# Altium PCB Necklace_v3_pcb.PcbDoc
Units mm, origin at the board's own origin, x right, y up, seen from the top; angles counter-clockwise.
Board outline 22 x 32 mm, 2 copper layers (Top Layer, Bottom Layer); 24 components, 16 nets, 66 pads, 14 vias.
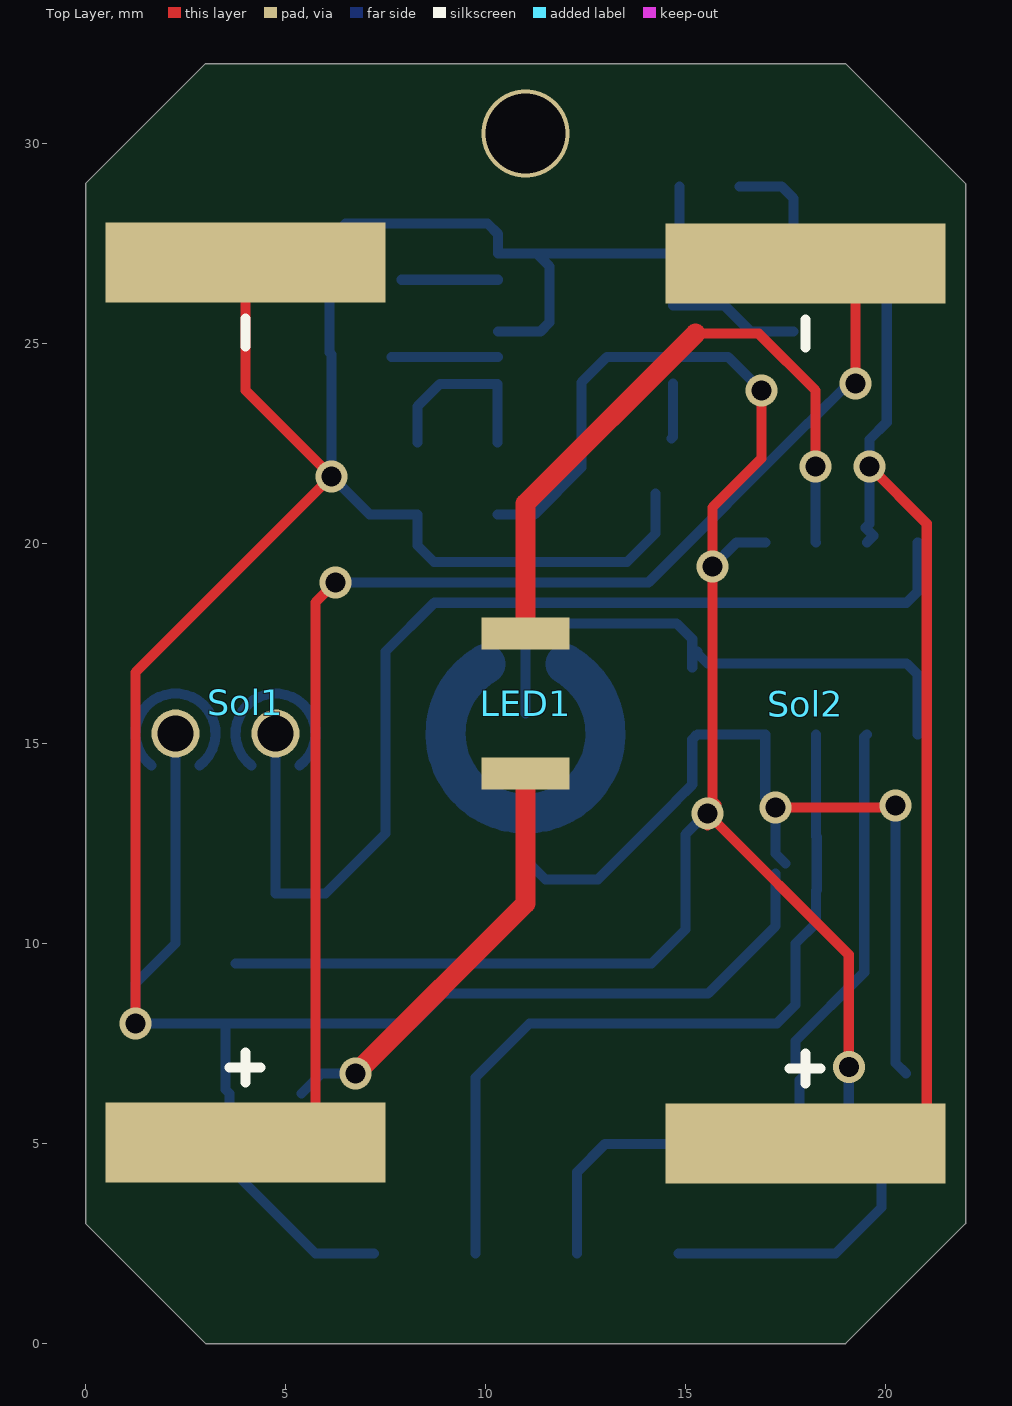
[diagram p0: Top Layer view]
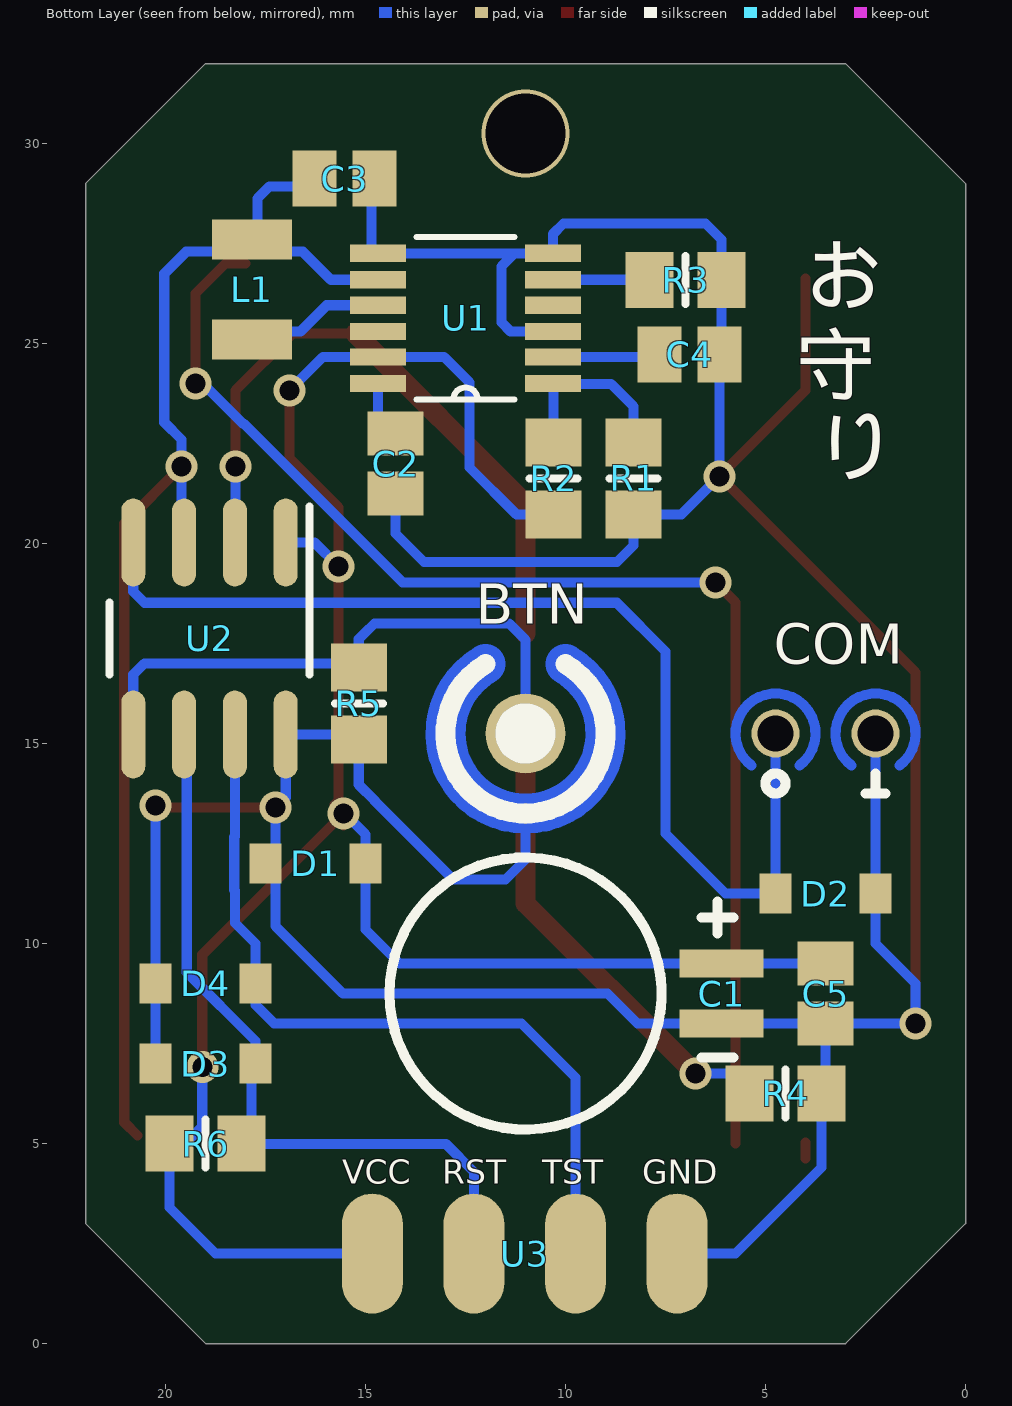
[diagram p1: Bottom Layer view, seen from below]

## Layer stack, top to bottom
Top Solder: solder mask 0.0102, Solder Resist, Dk 3.5
Top Layer: signal copper 0.0356
Dielectric 1: dielectric 0.32, FR-4, Dk 4.8
Bottom Layer: signal copper 0.0356
Bottom Solder: solder mask 0.0102, Solder Resist, Dk 3.5

## Board outline
3,0 0,3 0,29 3,32 19,32 22,29 22,3 19,0

## Design rules (kind name [scope] priority, off if disabled: settings)
Clearance [All] p1: gap=0.254 ignorepadtopadclearanceinfootprint=TRUE except(0: Arc-Hole Track-Hole SMDPad-Hole THPad-Hole Via-Hole Fill-Hole Poly-Hole Region-Hole Text-Hole; 0.1: SMDPad-SMDPad SMDPad-THPad THPad-THPad)
PolygonConnect [All] p1: connectstyle=Relief reliefconductorwidth=0.254 reliefentries=4 polygonreliefangle="90 Angle" airgapwidth=0.254
RoutingVias [All] p1: holewidth=0.711 width=1.27 viastyle="Through Hole" minholewidth=0.711 minwidth=1.27 maxholewidth=0.711 maxwidth=1.27
SolderMaskExpansion [All] p1: expansion=0.102
Width [All] p1: maxlimit=5 minlimit=0.254 preferedwidth=0.254
30 further rules are at their usual default settings.

## Components (designator, comment, footprint, x,y, rotation, side; value= is the part's Value field where it differs from the comment)
BTN "Touch_sensor" TOUCH_SENSOR 11,15.25 r90 bottom
C1 "DMS3R3224R Supercap" "DMS3R3224R SUPERCAP" 11,8.75 r180 bottom
C2 "Cap Semi" C0805 14.25,22 r90 bottom value=1uF
C3 "Cap Semi" C0805 15.521,29.125 r0 bottom value=10uF
C4 "Cap Semi" C0805 6.9,24.728 r180 bottom value=4.7uF
C5 "Cap Semi" C0805 3.5,8.75 r90 bottom value=100pF
COM "COM" SYNCHRONIZER 2.25,15.25 r90 bottom
D1 "ESD-Diode" SCHUTZDIODE 15.25,12.75 r0 bottom
D2 "ESD-Diode" SCHUTZDIODE 4.5,10.5 r180 bottom
D3 "ESD-Diode" SCHUTZDIODE 18,7.75 r0 bottom
D4 "ESD-Diode" SCHUTZDIODE 18,9.75 r0 bottom
L1 "Inductor" INDUCTIVITY 19.342,27.6 r270 bottom
LED1 "3528_LED" ?#1 11,14.5 r90 top
R1 "Res3" 6-0805_N 8.3,21.628 r90 bottom value=510k
R2 "Res3" 6-0805_N 10.3,21.628 r270 bottom value=1.1M
R3 "Res3" 6-0805_N 7,26.594 r0 bottom value=300k
R4 "Res3" 6-0805_N 4.5,6.25 r0 bottom value=200
R5 "Res3" 6-0805_N 15.167,16 r90 bottom value=8.2M
R6 "Res3" 6-0805_N 19,5 r0 bottom value=47k
Sol1 "Solar Panel" ?#2 7.5,3.028 r90 top
Sol2 "Solar Panel" ?#2 21.5,3 r90 top
U1 "LTC3105EMSPBF" SOP65P490X110-12N 12.5,25.628 r0 bottom
U2 "MSP430G2210IDR" MSP430G2210 18.9,17.628 r270 bottom
U3 "Program_connector" PROGRAM_CONNECTOR 14.83,2.25 r270 bottom

## Footprints (in the part's own frame and the unit in brackets; to place one, negate y for a bottom-side part, rotate by r counter-clockwise, add the part's x,y. Pads: shape width x height; smd on the part's side, far side on the other; paste and mask are expansions set on the pad)
6-0805_N [mm] "Chip Resistor, Body 2.0x1.2mm, IPC Medium Density"
  rect 1.2x1.4 smd: 1(-0.9,0) 2(0.9,0)
  silkscreen extent 0,-0.6 0,0.6, body extent -1.07,-0.7 1.07,0.7, height 0.7
C0805 [mm] "Chip Capacitor, Body 2.0x1.3mm, IPC High Density"
  rect 1.1x1.4 smd: 1(-0.75,0) 2(0.75,0)
  body extent -1.1,-0.72 1.1,0.72, height 1.4
"DMS3R3224R SUPERCAP" [mm]
  rect 2.1x0.7 smd: 0(4.9,0.75) 1(4.9,-0.75)
  silkscreen extent -3.4,-3.4 5.2,3.4, body extent -3.4,-3.4 5.6,3.4, height 1.8
INDUCTIVITY [mm]
  rect 1x2 smd: 0(0,1.5) 1(2.5,1.5)
  body extent -0.25,0 2.75,3, height 1
MSP430G2210 [mm] "SOIC, 8-Leads, Body 4.9x3.9mm, Pitch 1.27mm, IPC Medium Density"
  oval 2.2x0.6 smd: 1(-2.4,1.905) 2(-2.4,0.635) 3(-2.4,-0.635) 4(-2.4,-1.905) 5(2.4,-1.905) 6(2.4,-0.635) 7(2.4,0.635) 8(2.4,1.905)
  silkscreen extent -3.3,-2.5 0.9,2.5, body extent -3,-2.45 3,2.45, height 1.63
PROGRAM_CONNECTOR [mm]
  oval 3x1.524 smd: 0(0,0) 1(0,2.54) 2(0,5.08) 3(0,7.62)
SCHUTZDIODE [mm]
  rect 0.8x1 smd: 1(-0.25,0.75) 2(2.25,0.75)
  body extent 0,0 2,1.5, height 1.15
SOP65P490X110-12N [mil]
  rect 55x17 smd: 1(-86,64) 2(-86,38) 3(-86,13) 4(-86,-13) 5(-86,-38) 6(-86,-64) 7(86,-64) 8(86,-38) 9(86,-13) 10(86,13) 11(86,38) 12(86,64)
  silkscreen extent -48,-80 48,80
SYNCHRONIZER [mm]
  round 1.2 hole 0.9: GND(0,0) Sync(0,2.5)
  Top Layer lines w0.254: -0.8,-0.6 ccw(c0,0) -0.8,0.6 ; -0.8,1.9 ccw(c0,2.5) -0.8,3.1
  silkscreen extent -1.5,-0.25 -1,2.75
TOUCH_SENSOR [mm]
  round 2 smd paste+0 mask+0: 0(0,0)
  round 0.5 smd paste+0 mask+0: 1(-2,0)
  Top Layer lines w1: 1.732,-1 cw(c0,0) -2,0 cw(c0,0) 1.732,1
  silkscreen extent -2,-2 1.73,2
?#1 [mm]
  rect 0.8x2.2 smd: 0(3.25,0) 1(-0.25,0)
  body extent -0.25,-1.25 3.25,1.25, height 1
?#2 [mm]
  rect 2x7 smd: 0(2,3.5) 1(24,3.5)
  silkscreen extent 3.5,3.12 22.6,3.9, body extent 2,0 24,7, height 1.6

## Part data
C1: Capacity=220mF
C2 C3 C4 C5: "Capacitor (Semiconductor SIM Model)", LatestRevisionDate=29-May-2009, LatestRevisionNote="IPC-7351 Footprint Added.", PackageDescription="Chip Capacitor", PackageReference=C1206, Published=8-Jun-2000, Publisher="Altium Limited"
L1: library part Inductivity
R1 R2 R3 R4 R5 R6: "Resistor", LatestRevisionDate=29-May-2009, LatestRevisionNote="IPC-7351 Footprint Added.", PackageDescription="Chip Resistor", PackageReference=J1-0603, Published=8-Jun-2000, Publisher="Altium Limited"
Sol1 Sol2: library part Solar_Panel
  Sol2: Name=KXOB22-04X3F, Vmpp=1.5V
U1: "Ic Conv Dc/Dc Step Down 12-Msop", Package="MSOP-12 Linear Technology", Availability=Unavailable, MF="Linear Technology/Analog", MP=LTC3105EMS#PBF, Price=None, SnapEDA_Link=https://www.snapeda.com/parts/LTC3105EMS%23PBF/Linear%20Technology/Analog%20Devices/view-part/?ref=snap
U2: "MIXED SIGNAL MICROCONTROLLER, D0008A", Alternate Manufacturer="Texas Instruments", Alternate PartNumber=MSP430G2210ID, ComponentLink1Description="Datasheet Link", ComponentLink1URL=http://www.ti.com/lit/ds/symlink/msp430g2210.pdf, CompType=IC, LatestRevisionDate=2015-05-28, Manufacturer="Texas Instruments", MountType=SMT, PackageReference=D0008A, PartNumber=MSP430G2210IDR, Publisher="Texas Instruments", RoHS=Y, SymbolCreator=Altium, SymbolVersion=2015-05-26, U/M=EA

## Via types
v1: diameter 0.8, hole 0.5, Top Layer to Bottom Layer, 13 vias
v2: diameter 2.2, hole 2, Top Layer to Bottom Layer, 1 vias

## Nets (pads, with @x,y where several pads share a name; then routed paths per layer and width w, separated by ;. In a path a pad name is that pad's centre, name@x,y a point inside that pad or via, vN(x,y) a via of type N, cw(c..) or ccw(c..) an arc to the next point about the centre after c; other vN are vias at no path point)
BTN: BTN.0 R5.2 U2.5 | length 14.6
  Bottom Layer w0.254: BTN.0@11,15.75 11,17.591 11.409,18 14.777,18 15.016,17.761 15.021,17.761 15.167,17.614 R5.2@15.167,17.167 ; R5.2 R5.2@15.167,17.167 ; U2.5 20.805,16.723 20.528,17 15.55,17 R5.2@15.3,17.25 ; R5.2@15.167,17.167 R5.2@15.264,17.264 ; R5.2@15.264,17.264 15.3,17.3 R5.2@15.3,17.25 ; R5.2@15.264,17.264 R5.2@15.278,17.25 ; R5.2@15.278,17.25 R5.2@15.3,17.25 ; R5.2@15.278,17.25 15.3,17.228 R5.2@15.3,17.25
COM: D2.1 U2.4 | length 27.1
  Bottom Layer w0.254: 4.75,15.25 D2.1 6,11.25 7.5,12.75 7.5,17.3 8.72,18.52 20.524,18.52 20.805,18.802 U2.4
FB: R1.2 R2.1 U1.1 | length 4.6
  Bottom Layer w0.254: R1.2 8.3,23.428 8.859,23.987 10.3,23.987 R2.1
GND: BTN.1 C1.1 C2.1 C3.1 C4.2 C5.1 COM.GND D1.2 D2.2 D3.2 D4.2 R1.1 R3.1 R4.1 R5.1 Sol1.1 U1.3 U1.6 U1.7 U2.8 U3.3 | length 109.5
  Top Layer w0.254: v1(1.25,8) 1.25,16.778 v1(6.15,21.678) 4,23.828 Sol1.1@4,26.628 ; v1(17.25,13.4) 20.095,13.4 20.195,13.5 v1(20.25,13.445)
  Bottom Layer w0.254: COM.GND D2.2 2.25,10 1.25,9 v1(1.25,8) C5.1 ; U3.3 5.75,2.25 3.6,4.4 R4.1 3.5,6.35 C5.1 ; U1.3 11.37,25.298 11.6,25.528 11.6,26.928 11.274,27.254 ; BTN.1 11,12.1 11.5,11.6 12.807,11.6 14.769,13.562 14.769,13.573 15.167,13.972 R5.1 15.296,15.228 U2.8 16.995,13.655 v1(17.25,13.4) 17.25,12.25 D1.2 ; C2.1 14.25,20.25 13.536,19.536 8.714,19.536 8.3,19.95 R1.1 7.1,20.728 v1(6.15,21.678) C4.2 6.1,24.778 R3.1 6.1,27.6 6.5,28 10.05,28 10.316,27.734 U1.6 11.274,27.254 ; C3.1@14.85,28.928 14.85,27.42 U1.7 11.274,27.254 ; D1.2@17.25,11.75 17.25,10.435 15.565,8.75 8.95,8.75 8.2,8 C1.1 C5.1 ; v1(20.25,13.445) D4.2 20.25,7.015 D3.2@20.515,6.75
LED_out: LED1.0 U2.2 | length 16.7
  Top Layer w0.254: 15.247,25.247 16.831,25.247 18.25,23.828 v1(18.25,21.928)
  Top Layer w0.5: LED1.0 11,21 15.247,25.247
  Bottom Layer w0.254: v1(18.25,21.928) 18.25,20.043 U2.2
NetC2_2: C2.2 U1.12 | length 1.4
  Bottom Layer w0.254: C2.2@14.65,22.628 14.684,22.663 U1.12
NetC4_1: C4.1 U1.2 | length 2.7
  Bottom Layer w0.254: C4.1@7.65,24.663 U1.2
NetLED1_1: LED1.1 R4.2 | length 10.7
  Top Layer w0.5: v1@6.828,6.828 11,11 LED1.1
  Bottom Layer w0.254: R4.2 5.9,6.75 v1(6.75,6.75)
NetR3_2: R3.2 U1.5 | length 2.4
  Bottom Layer w0.254: R3.2 U1.5
RST: D3.1 R6.1 U2.6 U3.1 | length 18.7
  Bottom Layer w0.254: U3.1 12.29,4.29 12.992,4.992 17.842,4.992 17.85,5 17.85,6.585 D3.1@18.015,6.75 ; D3.1 17.75,7.561 19.469,9.28 19.469,15.162 U2.6
SHDN: U1.4
SW: L1.1 U1.9 | length 3.3
  Bottom Layer w0.254: U1.9 15.97,25.959 16.63,25.298 L1.1@17.7,25.298
Test: D4.1 U2.7 U3.2 | length 20.1
  Bottom Layer w0.254: U3.2 9.75,6.65 11.1,8 17.282,8 17.75,8.468 D4.1 17.75,10 18.265,10.515 18.265,11.326 18.281,11.342 18.281,12.658 18.265,12.674 U2.7
VCC: C1.0 C5.2 D1.1 R2.2 R6.2 U1.11 U2.1 U3.0 | length 54.7
  Top Layer w0.254: v1@15.55,12.958 v1(15.55,13.25) ; v1(16.9,23.828) 16.9,22.128 15.675,20.903 v1(15.675,19.425) 15.675,13.575 15.775,13.475 v1(15.55,13.25) ; v1(19.081,6.919) 19.081,9.719 v1(15.55,13.25)
  Bottom Layer w0.254: C5.2@3.75,9.5 C1.0 14.15,9.5 15,10.35 D1.1 15,12.729 15.521,13.25 v1(15.55,13.25) ; R2.2 11.228,20.728 12.4,21.9 12.4,24.028 13.035,24.663 U1.11 16.065,24.663 v1(16.9,23.828) ; U3.0 18.75,2.25 19.9,3.4 R6.2 ; v1(15.675,19.425) 16.278,20.028 U2.1 ; v1(19.081,6.919) 19.081,5.422 19.469,5.034 R6.2@19.435,5
VCC_GND_solar: Sol1.0 Sol2.1 | length 33.5
  Top Layer w0.254: Sol1.0@4,4.628 Sol1.0 ; Sol1.0@5.75,5 5.75,18.528 v1(6.25,19.028) ; Sol2.1 18.5,27 19.25,26.25 v1(19.25,24)
  Bottom Layer w0.254: v1(6.25,19.028) 14.077,19.028 18.048,23 18.072,23 v1@19.161,24.089
VCC_solar: C3.2 L1.0 Sol2.0 U1.8 U2.3 | length 33.2
  Top Layer w0.254: v1(19.6,21.928) 21.031,20.497 21.031,5.531 Sol2.0@20.7,5.2
  Bottom Layer w0.254: U1.8 15.865,26.594 16.57,27.298 L1.0@17.7,27.298 ; C3.2@16.35,28.928 17.4,28.928 17.7,28.628 L1.0@17.7,27.298 ; U2.3 19.7,20.193 19.5,20.393 19.6,20.493 v1(19.6,21.928) 19.6,22.6 20.031,23.031 20.031,26.748 19.48,27.298 L1.0@17.7,27.298
pads on no net: COM.Sync U1.10
copper on no net:
  other v2: 11,30.25

## Silkscreen, mask and mechanical layers (free items; w line width, h text height)
Bottom Overlay:
  text "お" at 4,25.5 h2.5
  text "守" at 4.25,23.278 h2.5
  text "り" at 3.75,21.25 h2.5
Mechanical 5:
  the board outline again, w0.254

## Text inside footprints (layer, text, board x,y; h text height)
U3: Bottom Overlay "GND" at 8.08,4 h0.6; Bottom Overlay "TST" at 10.58,4 h0.6; Bottom Overlay "RST" at 13.08,4 h0.6; Bottom Overlay "VCC" at 15.58,4 h0.6